# Altium PCB PLDISPLAYMASTER.PcbDoc (part 1 of 2)
Units mm, origin at the board's own origin, x right, y up, seen from the top; angles counter-clockwise.
Board outline 119 x 145 mm, 2 copper layers (Top Layer, Bottom Layer); 125 components, 100 nets, 433 pads, 175 vias.
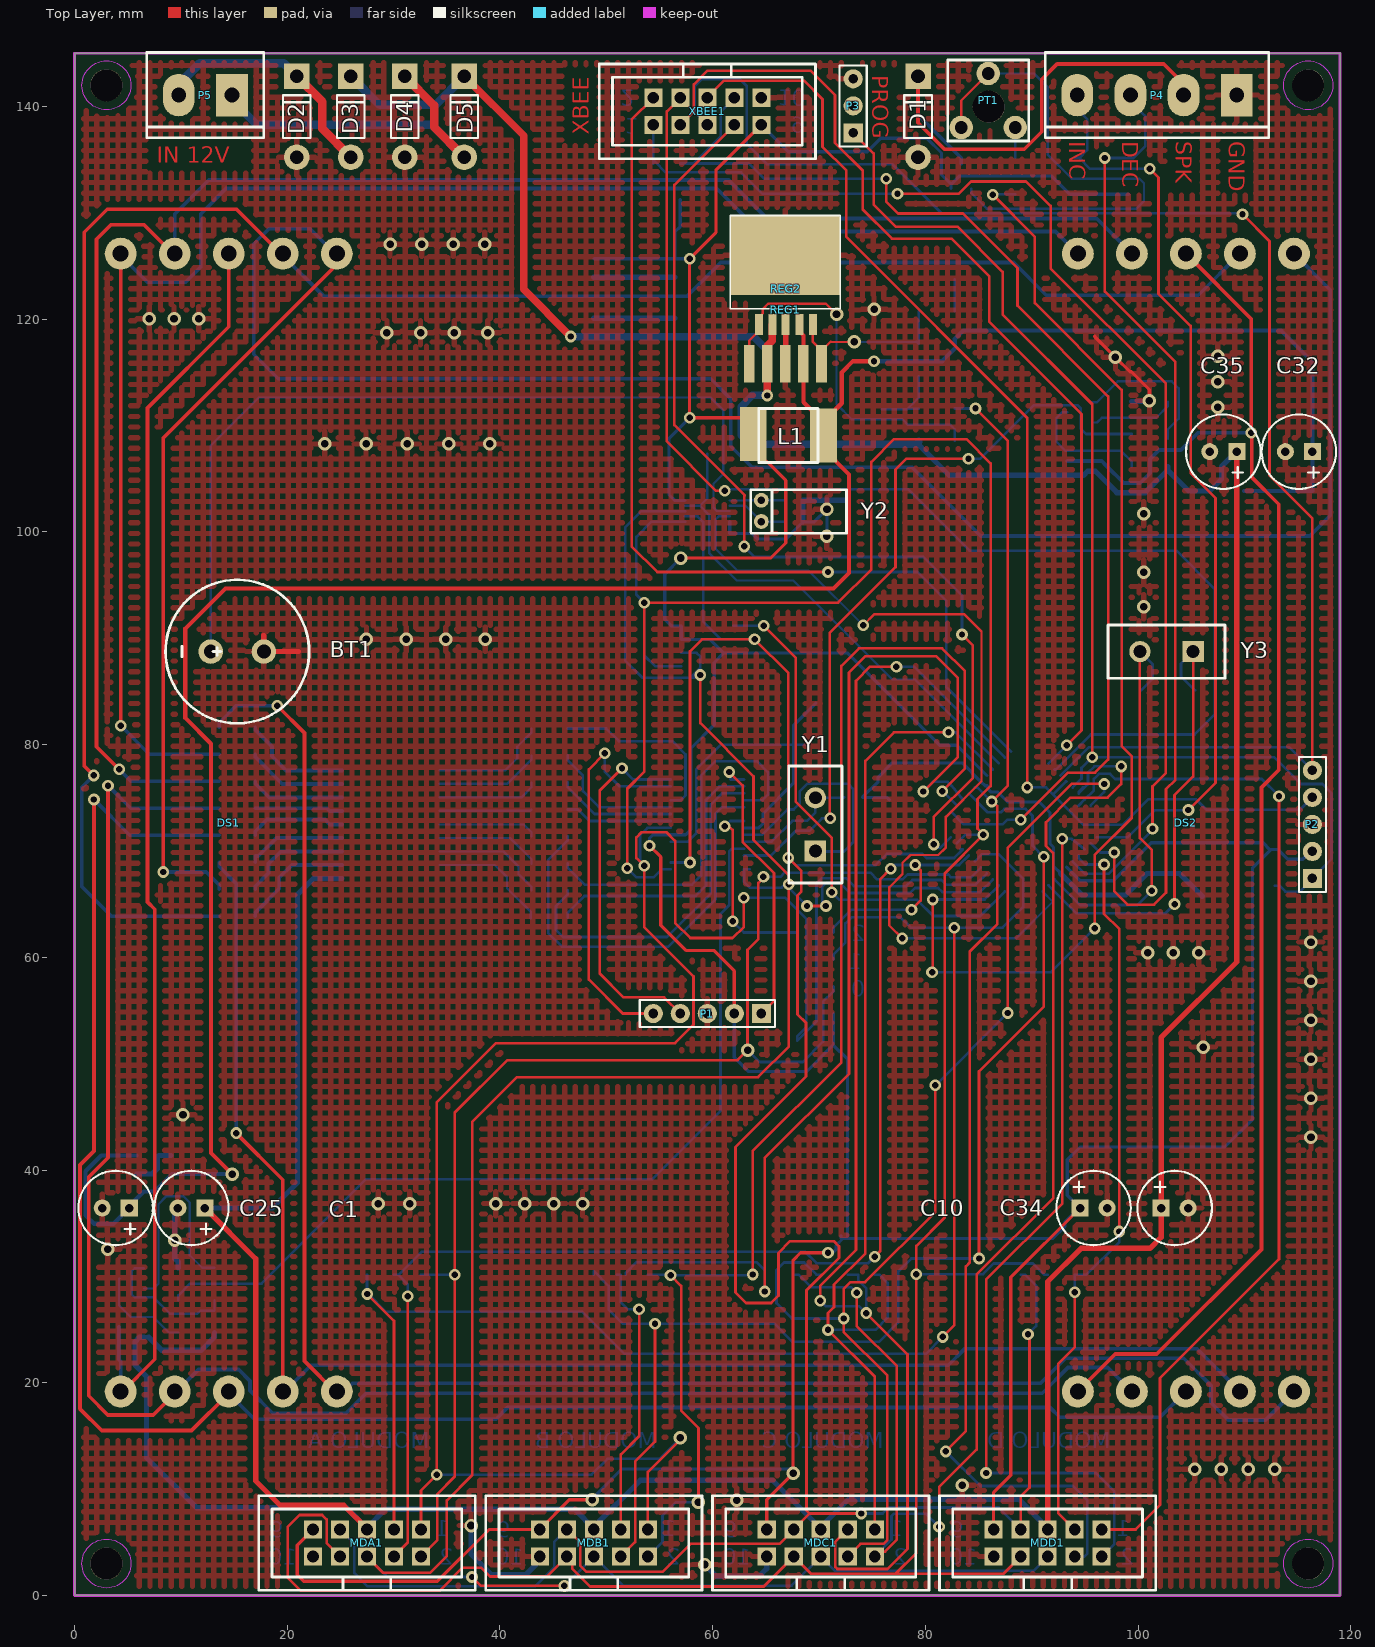
[diagram p0: Top Layer view]
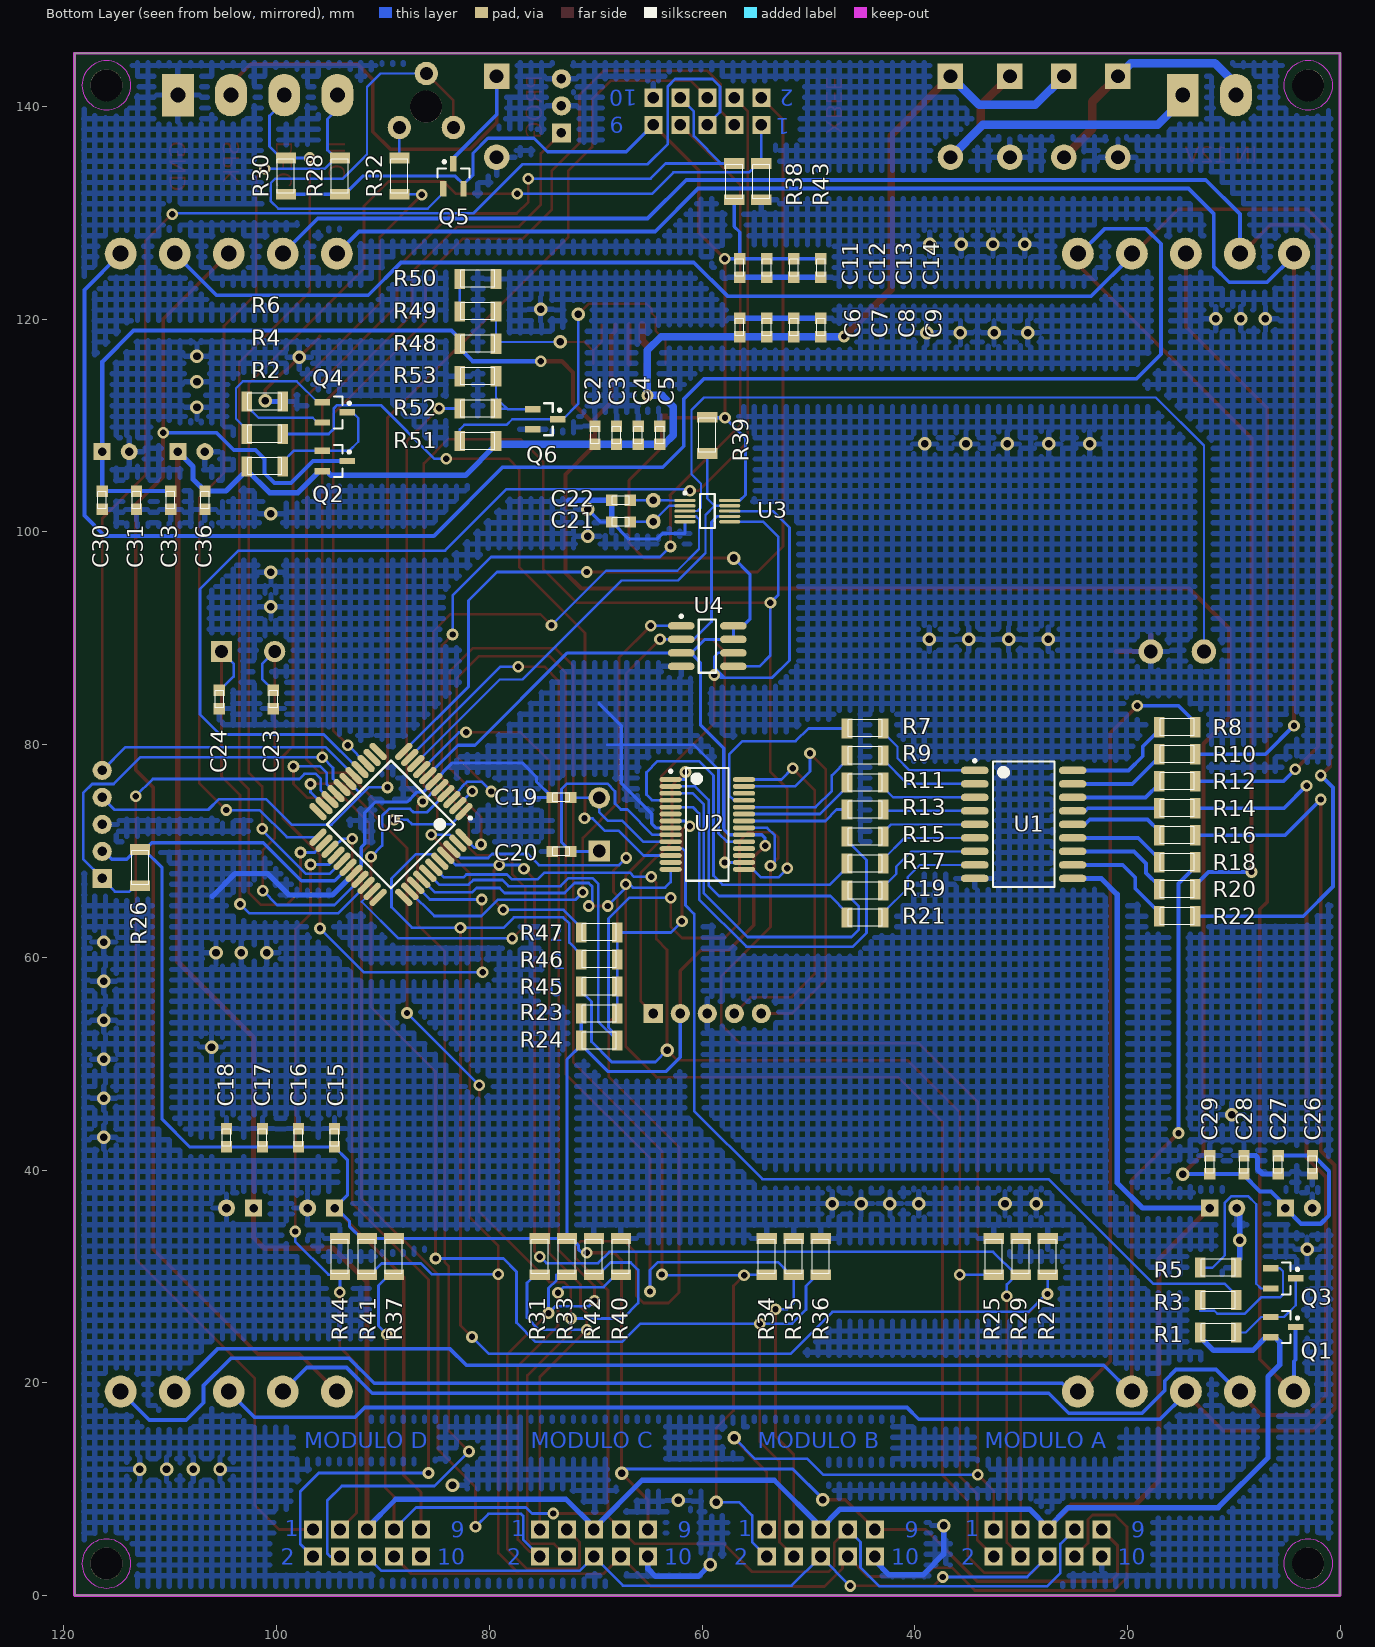
[diagram p1: Bottom Layer view, seen from below]
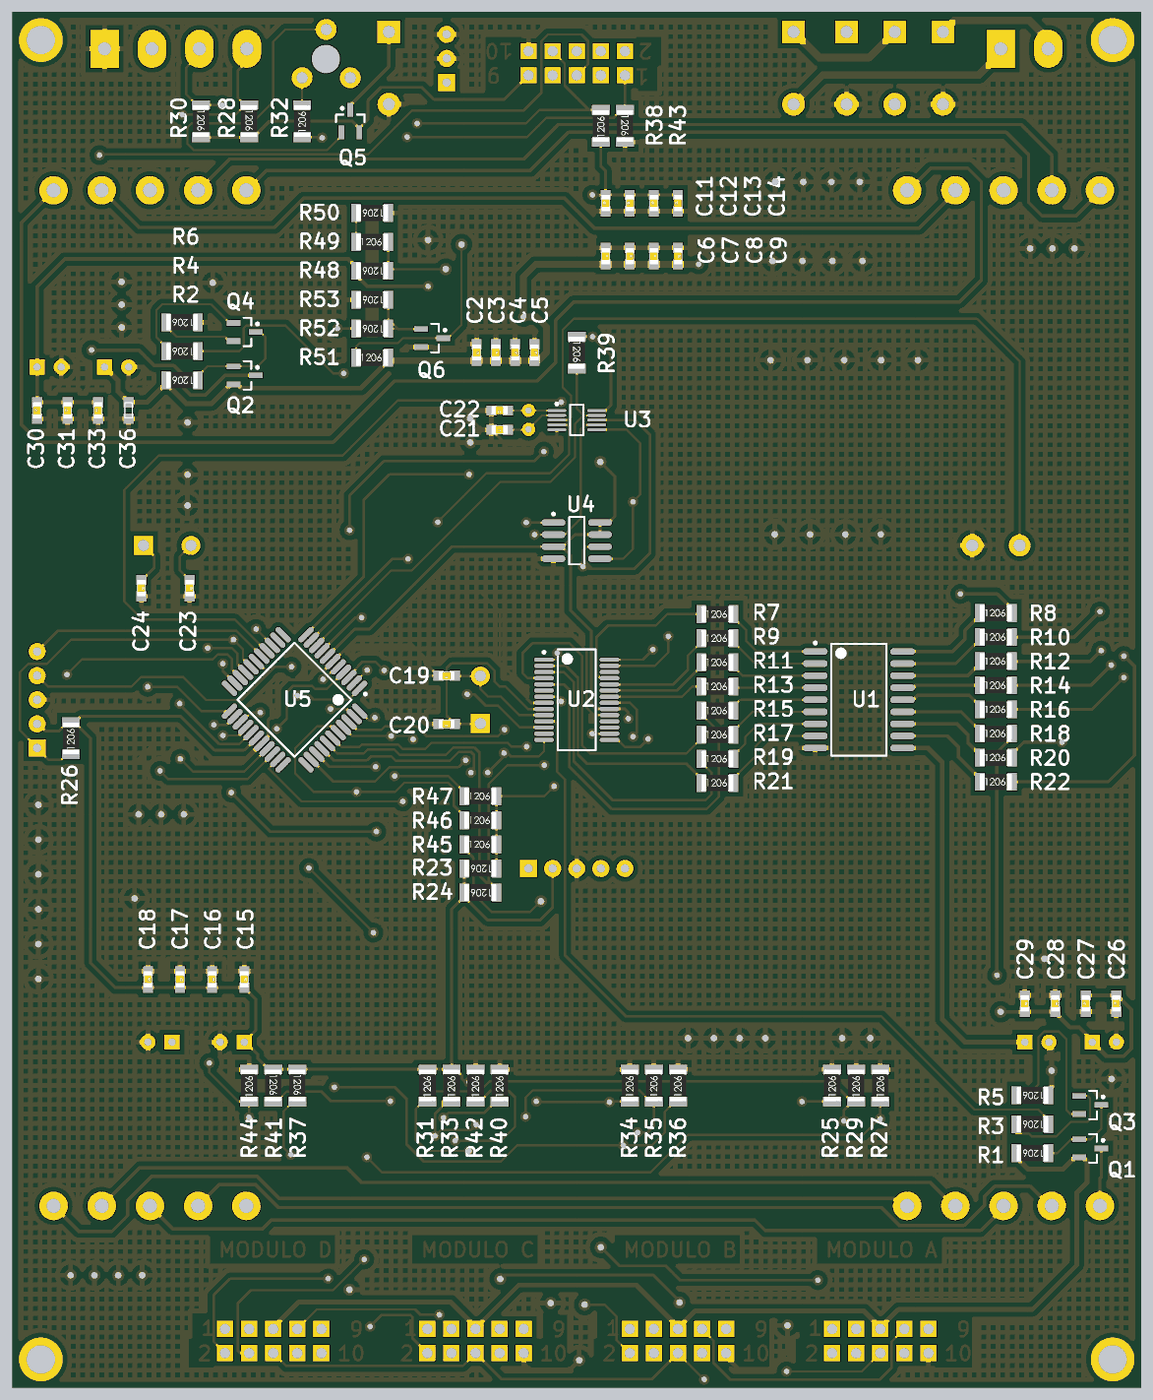
[diagram p3: 3D render of the assembled board from below, using the file's embedded part models]

## Layer stack, top to bottom
Top Solder: solder mask 0.0102, Solder Resist, Dk 3.5
Top Layer: signal copper 0.0356
Dielectric1: dielectric 0.32, FR-4, Dk 4.8
Bottom Layer: signal copper 0.0356
Bottom Solder: solder mask 0.0102, Solder Resist, Dk 3.5

## Board outline
0,145 119,145 119,0 0,0 0,145

## Design rules (kind name [scope] priority, off if disabled: settings)
Clearance Polygone [All vs InPolygon] p1: gap=0.5
Clearance Clearance_6 [InNetClass('PWR IN')] p2: gap=0.4
Clearance [All] p3: gap=0.2
ComponentClearance [All] p1: gap=0 collisioncheckmode=3 verticalgap=0 showdistances=FALSE
DiffPairsRouting [InNet('18F RC7')] p1: maxlimit=0.254 minlimit=0.254 mostfreqgap=0.254 toplayer_minwidth=0.381 toplayer_maxwidth=0.381 toplayer_prefwidth=0.381 bottomlayer_minwidth=0.381 bottomlayer_maxwidth=0.381 bottomlayer_prefwidth=0.381 maxuncoupledlength=12.7
HoleSize [All] p1: absolutevalues=TRUE maxlimit=10 minlimit=0.025 maxpercent=80.000 minpercent=20.000
MinimumSolderMaskSliver [All] p1: minsoldermaskwidth=0
PlaneClearance PlaneClearance_1 [InNamedPolygon('TopLayer')] p1: clearance=0.5
PlaneClearance [InNamedPolygon('BottomLayer')] p2: clearance=0.5
PlaneConnect PlaneConnect_1 [InNamedPolygon('TopLayer')] p1: planeconnectstyle=Relief reliefexpansion=0.5 reliefentries=4 reliefconductorwidth=0.3 reliefairgap=0.5
PlaneConnect [InNamedPolygon('BottomLayer')] p2: planeconnectstyle=Relief reliefexpansion=0.5 reliefentries=4 reliefconductorwidth=0.3 reliefairgap=0.5
PolygonConnect [All] p1: connectstyle=Relief reliefconductorwidth=0.5 reliefentries=4 polygonreliefangle="90 Angle" airgapwidth=0.5
RoomDefinition U_MIC29302 [InComponentClass('U_MIC29302')] p1: confinementstyle=ConfineIn formatcopy=TRUE lockcomponents=FALSE outline -45.518,157.112 166.155,157.112 166.155,-7.553 -45.518,-7.553
RoomDefinition "MCU 18F4520" [InComponentClass('MCU 18F4520')] p2: confinementstyle=ConfineIn formatcopy=TRUE lockcomponents=FALSE outline -45.518,157.112 166.181,157.112 166.181,-7.553 -45.518,-7.553
RoomDefinition "DISPLAY SS" [InComponentClass('DISPLAY SS')] p3: confinementstyle=ConfineIn formatcopy=TRUE lockcomponents=FALSE outline -45.518,-7.553 166.155,-7.553 166.155,157.112 -45.518,157.112
RoomDefinition PLDISPLAYMASTER [InComponentClass('PLDISPLAYMASTER')] p4: confinementstyle=ConfineIn formatcopy=TRUE lockcomponents=FALSE outline -45.518,157.112 166.181,157.112 166.181,-7.553 -45.518,-7.553
RoutingCorners [All] p1: cornerstyle=45-Degree minsetback=1.27 maxsetback=2.54
RoutingPriority RoutingPriority_3 [InNetClass('MCU 16F')] p1: routingpriority=3
RoutingPriority RoutingPriority_2 [InNetClass('MCU 18F')] p2: routingpriority=2
RoutingPriority RoutingPriority_1 [InNetClass('DISPLAY Class')] p3: routingpriority=1
RoutingPriority [All] p4: routingpriority=4
RoutingVias [All] p1: holewidth=0.6 width=1.1 viastyle="Through Hole" minholewidth=0.6 minwidth=1.1 maxholewidth=0.6 maxwidth=1.1
SMDToCorner [All] p1: distance=0
SilkToSilkClearance [All] p1: silktosilkclearance=0
SilkToSolderMaskClearance SilkscreenOverComponentPads [IsPad] p1: minsilkscreentomaskgap=0 clearancetoexposedcopper=TRUE
SolderMaskExpansion [All] p1: expansion=0.102
Width Width_11 [InNet('VIN DISPLY')] p1: maxlimit=10 minlimit=0.4 preferedwidth=0.4
Width Width_10 [InNet('VIN MIC29302')] p2: maxlimit=10 minlimit=0.4 preferedwidth=0.4
Width Width_9 [InNet('VOUT REG')] p3: maxlimit=10 minlimit=0.4 preferedwidth=0.4
Width Width_8 [InNet('BUZZER SPK')] p4: maxlimit=0.35 minlimit=0.35 preferedwidth=0.35
Width Width_7 [InNet('AC DISPLAY 2')] p5: maxlimit=10 minlimit=0.35 preferedwidth=0.35
Width Width_6 [InNet('AC DISPLAY 1')] p6: maxlimit=10 minlimit=0.35 preferedwidth=0.35
Width Width_5 [InNetClass('MCU 16F')] p7: maxlimit=10 minlimit=0.25 preferedwidth=0.25
Width Width_4 [InNetClass('DISPLAY Class')] p8: maxlimit=10 minlimit=0.35 preferedwidth=0.35
Width Width_3 [InNetClass('PWR IN')] p9: maxlimit=10 minlimit=0.4 preferedwidth=0.4
Width Width_2 [InNetClass('RTC')] p10: maxlimit=0.22 minlimit=0.22 preferedwidth=0.22
Width Width_1 [InNetClass('MCU 18F')] p11: maxlimit=10 minlimit=0.25 preferedwidth=0.25
Width [All] p12: maxlimit=10 minlimit=0.22 preferedwidth=0.22
20 further rules are at their usual default settings.

## Classes and differential pairs
net class "DISPLAY Class": "DISPLAY A" "DISPLAY B" "DISPLAY C" "DISPLAY D" "DISPLAY DP" "DISPLAY E" "DISPLAY F" "DISPLAY G" NetR8_1 NetR10_1 NetR12_1 NetR14_1 NetR16_1 NetR18_1 NetR20_1 NetR22_1
polygon class POLIGONO: BottomLayer TopLayer
component class U_MIC29302: C25 C26 C27 C28 C29 C30 C31 C32 C33 C34 C35 C36 L1 Q6 R48 R49 R50 R51 R52 R53 REG1 REG2
component class PLDISPLAYMASTER: D2 D3 D4 D5 MDA1 MDC1 MDD1 P4 P5 R45 R46 R47 XBEE1
component class "MCU 18F4520": BT1 C21 C22 C23 C24 D1 P2 P3 PT1 Q5 R25 R26 R27 R28 R29 R30 R31 R32 R33 R34 R35 R36 R37 R38 R39 R40 R41 R42 R43 R44 U3 U4 U5 Y2 Y3
component class "DISPLAY SS": C1 C2 C3 C4 C5 C6 C7 C8 C9 C10 C11 C12 C13 C14 C15 C16 C17 C18 C19 C20 DS1 P1 Q1 Q2 Q3 Q4 R1 R2 R3 R4 R5 R6 R7 R8 R9 R10 R11 R12 R13 R14 R15 R16 R17 R18 R19 R20 R21 R22 R23 R24 U1 U2 Y1
net class "MCU 16F": "16F PGC" "16F PGD" "18F RD0" "18F SPI SCK" "18F SPI SDI" "18F SPI SDO" +5VDC "DISP NUM 1" "DISP NUM 2" "EN DISPLY" GND "MCLR 16F" "OSC1 16F" "OSC2 16F" "U DISPLAY A" "U DISPLAY B" "U DISPLAY C" "U DISPLAY D" "U DISPLAY DP" "U DISPLAY E" "U DISPLAY F" "U DISPLAY G"
net class "MCU 18F": "18F MCLR" "18F RA0" "18F RA1" "18F RA2" "18F RA3" "18F RA4" "18F RA5" "18F RB0" "18F RB1" "18F RB2" "18F RB3" "18F RB4" "18F RB5" "18F RB6" "18F RB7" "18F RC0" "18F RC1" "18F RC2" "18F RC6" "18F RC7" "18F RD0" "18F RD1" "18F RD2" "18F RD3" "18F RD4" "18F RD5" "18F RD6" "18F RD7" "18F RE0" "18F RE1" "18F RE2" "18F SPI SCK" "18F SPI SDI" "18F SPI SDO" +5VDC GND "OSC1 18F" "OSC2 18F"
net class RTC: "18F RB1" "18F RC0" "18F SPI SCK" "18F SPI SDI" "18F SPI SDO" +5VDC "DS1390 VBACKUP" "DS1390 X1" "DS1390 X2" GND
net class "PWR IN": +12VDC NetD2_2 NetD4_2

## Components (designator, comment, footprint, x,y, rotation, side; value= is the part's Value field where it differs from the comment)
BT1 "3V" KR-5R5C334-R 15.304,88.756 r0 top
C1 "10uF 25v" C100UF 12.256,36.432 r180 top
C2 "100nF" CAP0603,1608 70.062,109.093 r270 bottom
C3 "100nF" CAP0603,1608 68.03,109.093 r270 bottom
C4 "100nF" CAP0603,1608 65.998,109.093 r270 bottom
C5 "100nF" CAP0603,1608 63.966,109.093 r270 bottom
C6 "100nF" CAP0603,1608 56.452,119.236 r270 bottom
C7 "100nF" CAP0603,1608 53.912,119.236 r270 bottom
C8 "100nF" CAP0603,1608 51.372,119.236 r270 bottom
C9 "100nF" CAP0603,1608 48.832,119.236 r270 bottom
C10 "10uF 25v" C100UF 94.552,36.432 r0 top
C11 "100nF" CAP0603,1608 56.452,124.824 r90 bottom
C12 "100nF" CAP0603,1608 53.912,124.824 r90 bottom
C13 "100nF" CAP0603,1608 51.372,124.824 r90 bottom
C14 "100nF" CAP0603,1608 48.832,124.824 r90 bottom
C15 "100nF" CAP0603,1608 94.552,43.036 r270 bottom
C16 "100nF" CAP0603,1608 97.939,43.036 r270 bottom
C17 "100nF" CAP0603,1608 101.325,43.036 r270 bottom
C18 "100nF" CAP0603,1608 104.712,43.036 r270 bottom
C19 "15pF" CAP0603,1608 73.216,75.04 r0 bottom
C20 "15pF" CAP0603,1608 73.216,69.96 r0 bottom
C21 "15pF" CAP0603,1608 67.628,100.948 r0 bottom
C22 "15pF" CAP0603,1608 67.628,102.98 r0 bottom
C23 "15pF" CAP0603,1608 100.313,84.26 r270 bottom
C24 "15pF" CAP0603,1608 105.393,84.26 r270 bottom
C25 "100uF 25v" C100UF 5.144,36.432 r180 top
C26 "100nF" CAP0603,1608 2.604,40.496 r90 bottom
C27 "100nF" CAP0603,1608 5.821,40.496 r90 bottom
C28 "100nF" CAP0603,1608 9.039,40.496 r270 bottom
C29 "100nF" CAP0603,1608 12.256,40.496 r270 bottom
C30 "100nF" CAP0603,1608 116.396,102.98 r90 bottom
C31 "100nF" CAP0603,1608 113.179,102.98 r90 bottom
C32 "100uF 25v" C100UF 116.396,107.552 r180 top
C33 "100nF" CAP0603,1608 109.961,102.98 r90 bottom
C34 "100uF 25v" C100UF 102.172,36.432 r0 top
C35 "100uF 25v" C100UF 109.284,107.552 r180 top
C36 "100nF" C0603C104K5RACTU 106.744,102.98 r90 bottom
D1 "1N4004" DIODE-0.3_GENARO 79.312,139.048 r270 top
D2 "1N4004" DIODE-0.3_GENARO 20.892,139.048 r270 top
D3 "1N4004" DIODE-0.3_GENARO 25.972,139.048 r270 top
D4 "1N4004" DIODE-0.3_GENARO 31.052,139.048 r270 top
D5 "1N4004" DIODE-0.3_GENARO 36.64,139.048 r270 top
DS1 "DISPLAY 7PULG AC" "Display 7Seg 4''" 14.5,72.675 r0 top
DS2 "DISPLAY 7PULG AC" "Display 7Seg 4''" 104.5,72.675 r0 top
L1 "270R" 74279224271 67.12,109.076 r180 top
MDA1 "IDC5X2" IDC5X2 27.496,4.936 r270 top
MDB1 "IDC5X2" IDC5X2 48.832,4.936 r270 top
MDC1 "IDC5X2" IDC5X2 70.168,4.936 r270 top
MDD1 "IDC5X2" IDC5X2 91.504,4.936 r270 top
P1 "NONE" HDR1X5 64.58,54.72 r180 top
P2 "ICSP" HDR1X5 116.396,67.42 r90 top
P3 "Header 3" HDR1X3 73.216,137.524 r90 top
P4 "BORNERA 2P" AZUL5-4 109.284,141.08 r180 top
P5 "VOLT AC" AZUL5-2 14.796,141.08 r180 top
PT1 "20K" "POT LIN VR1" 85.916,140.572 r0 top
Q1 "2N3906" SOT95P240-3RM 5.363,25.238 r180 bottom
Q2 "2N3906" SOT95P240-3RM 94.516,106.672 r180 bottom
Q3 "2N3904" SOT95P240-3RM 5.363,29.81 r180 bottom
Q4 "2N3904" SOT95P240-3RM 94.516,111.244 r180 bottom
Q5 "2N3906" SOT95P240-3RM 83.376,133.46 r90 bottom
Q6 "2N3906" SOT95P240-3RM 74.74,110.6 r180 bottom
R1 "10K" RES1206-3216 11.459,24.73 r0 bottom
R2 "10K" RES1206-3216 101.12,106.164 r0 bottom
R3 "1K" RES1206-3216 11.459,27.778 r0 bottom
R4 "1K" RES1206-3216 101.12,109.212 r0 bottom
R5 "470R" RES1206-3216 11.459,30.826 r0 bottom
R6 "470R" RES1206-3216 101.12,112.26 r0 bottom
R7 "1K" RES1206-3216 44.666,81.521 r180 bottom
R8 "100R" RES1206-3216 15.304,81.644 r180 bottom
R9 "1K" RES1206-3216 44.666,78.981 r180 bottom
R10 "100R" RES1206-3216 15.304,79.104 r180 bottom
R11 "1K" RES1206-3216 44.666,76.441 r180 bottom
R12 "100R" RES1206-3216 15.304,76.564 r180 bottom
R13 "1K" RES1206-3216 44.666,73.901 r180 bottom
R14 "100R" RES1206-3216 15.304,74.024 r180 bottom
R15 "1K" RES1206-3216 44.666,71.361 r180 bottom
R16 "100R" RES1206-3216 15.304,71.484 r180 bottom
R17 "1K" RES1206-3216 44.666,68.821 r180 bottom
R18 "100R" RES1206-3216 15.304,68.944 r180 bottom
R19 "1K" RES1206-3216 44.666,66.281 r180 bottom
R20 "100R" RES1206-3216 15.304,66.404 r180 bottom
R21 "1K" RES1206-3216 44.666,63.741 r180 bottom
R22 "100R" RES1206-3216 15.304,63.864 r180 bottom
R23 "10K" RES1206-3216 69.66,54.72 r0 bottom
R24 "10K" RES1206-3216 69.66,52.18 r0 bottom
R25 "100K" RES1206-3216 32.576,31.86 r90 bottom
R26 "100K" RES1206-3216 112.84,68.436 r90 bottom
R27 "100K" RES1206-3216 27.496,31.86 r90 bottom
R28 "100K" RES1206-3216 94.044,133.46 r270 bottom
R29 "100K" RES1206-3216 30.036,31.86 r90 bottom
R30 "100K" RES1206-3216 99.124,133.46 r270 bottom
R31 "100K" RES1206-3216 75.248,31.86 r90 bottom
R32 "100R" RES1206-3216 88.456,133.46 r90 bottom
R33 "100K" RES1206-3216 72.708,31.86 r90 bottom
R34 "100K" RES1206-3216 53.912,31.86 r90 bottom
R35 "100K" RES1206-3216 51.372,31.86 r90 bottom
R36 "100K" RES1206-3216 48.832,31.86 r90 bottom
R37 "4k7" RES1206-3216 88.964,31.86 r270 bottom
R38 "100K" CRCW1206100KJNEA 56.96,132.952 r90 bottom
R39 "4k7" RES1206-3216 59.5,109.076 r270 bottom
R40 "100K" RES1206-3216 67.628,31.86 r90 bottom
R41 "4k7" RES1206-3216 91.504,31.86 r270 bottom
R42 "100K" RES1206-3216 70.168,31.86 r90 bottom
R43 "100K" RES1206-3216 54.42,132.952 r270 bottom
R44 "100K" RES1206-3216 94.044,31.86 r90 bottom
R45 "1R" RES1206-3216 69.66,57.26 r180 bottom
R46 "1R" RES1206-3216 69.66,59.8 r180 bottom
R47 "1R" RES1206-3216 69.66,62.34 r180 bottom
R48 "100K" RES1206-3216 81.069,117.693 r0 bottom
R49 "33K" RES1206-3216 81.069,120.741 r180 bottom
R50 "1R" RES1206-3216 81.069,123.789 r0 bottom
R51 "100K" RES1206-3216 81.069,108.549 r180 bottom
R52 "1k" RES1206-3216 81.069,111.597 r0 bottom
R53 "100K" RES1206-3216 81.069,114.645 r0 bottom
REG1 "SIM29302" MIC29302BU 61.65,129.761 r0 top
REG2 "SIM29302" MIC29302AWD 66.885,118.5 r0 top
U1 "ULN2803A" SOIC-SO18_M 29.75,72.5 r180 bottom
U2 "PIC16F886-I/SS" SSOP-SS28_N 59.5,72.5 r180 bottom
U3 "DS1390U-33+" 10uSOP_M 59.5,101.964 r180 bottom
U4 "25LC256-I/SN" SOIC-SN8_M 59.5,89.264 r180 bottom
U5 "PIC18F4520-I/PT" TQFP-PT44_M 89.25,72.5 r315 bottom
XBEE1 "IDC5X2" IDC5X2 59.5,139.556 r90 top
Y1 "20Mhz" CRYSTAL 69.66,72.5 r90 top
Y2 "32.768Khz" XTAL-2 64.58,102.98 r270 top
Y3 "32,768Khz" CRYSTAL 102.68,88.756 r180 top

## Footprints (in the part's own frame and the unit in brackets; to place one, negate y for a bottom-side part, rotate by r counter-clockwise, add the part's x,y. Pads: shape width x height; smd on the part's side, far side on the other; paste and mask are expansions set on the pad)
10uSOP_M [mm] "TSSOP, 10-Leads, Body 3x3mm, Pitch 0.5mm, IPC Low Density"
  oval 2x0.3 smd: 1(-2.1,1) 2(-2.1,0.5) 3(-2.1,0) 4(-2.1,-0.5) 5(-2.1,-1) 6(2.1,-1) 7(2.1,-0.5) 8(2.1,0) 9(2.1,0.5) 10(2.1,1)
  silkscreen extent -2.23,-1.6 0.7,1.82, body extent -1.6,-1.6 1.6,1.6, height 1.1
74279224271 [mil] "INDUCTOR 270R"
  rect 98.43x200 smd: 1(-130,0) 2(130,-5)
  silkscreen extent -110,-100 110,100
AZUL5-2 [mm]
  rect 3x4 hole 1.4: 1(0,0)
  oval 3x4 hole 1.4: 2(5,0)
  silkscreen extent -3,-4 8,4
AZUL5-4 [mm]
  rect 3x4 hole 1.4: 1(0,0)
  oval 3x4 hole 1.4: 2(5,0) 3(10,0) 4(15,0)
  silkscreen extent -3,-4 18,4
C100UF [mm]
  rect 1.6x1.6 hole 0.8: 1(0,0)
  round 1.6 hole 0.8: 2(2.54,0)
  silkscreen extent -2.23,-3.5 4.77,3.5
C0603C104K5RACTU [mm] "100nF"
  rect 1.08x1.05 smd: 1(-0.865,0) 2(0.865,0)
  silkscreen extent -0.8,-0.4 0.8,0.4
CAP0603,1608 [mm] "0603 (1608 metric), -55 C to + 125 C, 10 %, 50 V"
  rect 1.08x1.05 smd: 1(-0.865,0) 2(0.865,0)
  silkscreen extent -0.8,-0.4 0.8,0.4, body extent -0.8,-0.4 0.8,0.4, height 0.3
CRCW1206100KJNEA [mm] "100K 0.25W"
  rect 1x1.9 smd: 1(-1.7,0) 2(1.7,0)
  silkscreen extent -1.6,-0.8 1.6,0.8, body extent -1.68,-0.87 1.68,0.85, height 0.85
CRYSTAL [mm] "Cristal de Quarzo"
  rect 2x2 hole 1.2: 1(-2.5,0)
  round 2 hole 1.2: 2(2.5,0)
  silkscreen extent -5.5,-2.5 5.5,2.5
DIODE-0.3_GENARO [mm] "DIODE-0.3"
  round 2.4 hole 1.3: 1(3.81,0)
  rect 2.4x2.4 hole 1.3: 2(-3.81,0)
  silkscreen extent -2.02,-1.3 2,1.3
"Display 7Seg 4''" [mm] "Display 7Seg 4''"
  round 3 hole 1.5: 1(-10.16,-53.5) 2(-5.08,-53.5) 3(0,-53.5) 4(5.08,-53.5) 5(10.16,-53.5) 6(10.16,53.5) 7(5.08,53.5) 8(0,53.5) 9(-5.08,53.5) 10(-10.16,53.5)
HDR1X3 [mm] "Connector; Header; 3 Position"
  rect 1.8x1.8 hole 0.9: 1(0,0)
  round 1.8 hole 0.9: 2(2.54,0) 3(5.08,0)
  silkscreen extent -1.27,-1.27 6.35,1.27
HDR1X5 [mm] "Connector; Header; 5 Position"
  rect 1.8x1.8 hole 0.9 paste+0: 1(0,0)
  round 1.8 hole 0.9 paste+0: 2(2.54,0) 3(5.08,0) 4(7.62,0) 5(10.16,0)
  silkscreen extent -1.27,-1.27 11.43,1.27
IDC5X2 [mm] "IDC5X2"
  rect 1.7x1.7 hole 1.1: 1(-1.27,5.08) 2(1.27,5.08) 3(-1.27,2.54) 4(1.27,2.54) 5(-1.27,0) 6(1.27,0) 7(-1.27,-2.54) 8(1.27,-2.54) 9(-1.27,-5.08) 10(1.27,-5.08)
  silkscreen extent -4.45,-10.17 4.45,10.17
KR-5R5C334-R [mm] "KR-5R5C334-R"
  round 2.3 hole 1.3: 1(-2.5,0) 2(2.5,0)
  silkscreen extent -6.75,-6.75 6.75,6.75
MIC29302AWD [mm] "MIC29302AWD"
  rect 0.76x2 smd: 1(-2.54,1) 2(-1.27,1) 4(1.27,1) 5(2.54,1) ""(-0.025,1)
  rect 7x5.85 smd: 3(0,7.775)
MIC29302BU [mm] "MIC29302BU"
  rect 1x3.5 smd: 1(1.777,-13.95) 2(3.48,-13.95) 4(6.884,-13.95) 5(8.586,-13.95) ""(5.182,-13.95)
  rect 10.363x7.477 smd: 3(5.182,-3.739)
  silkscreen extent 0,-8.78 10.36,0
"POT LIN VR1" [mm] "POT LIN VR1"
  round 2.2 hole 1.2: 1(-2.54,-2.54) 2(2.54,-2.54) 3(0,2.54)
  silkscreen extent -3.81,-3.81 3.81,3.81
RES1206-3216 [mm] "1206 (3216 metric), - 55 C to + 155 C, 200 V, 5 %, 250mW"
  rect 1x1.9 smd: 1(-1.7,0) 2(1.7,0)
  silkscreen extent -1.6,-0.8 1.6,0.8, body extent -1.68,-0.87 1.68,0.85, height 0.85
SOIC-SN8_M [mm] "SOIC, 8-Leads, Body 4.9x3.8mm, Pitch 1.27mm, IPC Low Density"
  oval 2.5x0.7 smd: 1(-2.45,1.905) 2(-2.45,0.635) 3(-2.45,-0.635) 4(-2.45,-1.905) 5(2.45,-1.905) 6(2.45,-0.635) 7(2.45,0.635) 8(2.45,1.905)
  silkscreen extent -2.58,-2.5 0.8,2.93, body extent -2,-2.5 2,2.5, height 1.75
SOIC-SO18_M [mm] "SOIC, 18-Leads, Body 11.5x7.5mm, Pitch 1.27mm, IPC Low Density"
  oval 2.6x0.7 smd: 1(-4.6,5.08) 2(-4.6,3.81) 3(-4.6,2.54) 4(-4.6,1.27) 5(-4.6,0) 6(-4.6,-1.27) 7(-4.6,-2.54) 8(-4.6,-3.81) 9(-4.6,-5.08) 10(4.6,-5.08) 11(4.6,-3.81) 12(4.6,-2.54) 13(4.6,-1.27) 14(4.6,0) 15(4.6,1.27) 16(4.6,2.54) 17(4.6,3.81) 18(4.6,5.08)
  silkscreen extent -4.72,-5.9 2.9,6.1, body extent -3.8,-5.95 3.8,5.95, height 2.65
SOT95P240-3RM [mm] "SOT23, 3-Leads, Body 2.9x1.3mm, Pitch 0.95mm, Lead Span 2.3mm - Reverse Pinning, IPC Low Density"
  rect 1.45x0.6 smd: 1(1.175,0) 2(-1.175,-0.95) 3(-1.175,0.95)
  silkscreen extent -0.1,-1.5 1.47,1.5, body extent -0.7,-1.5 0.7,1.5, height 1.1
SSOP-SS28_N [mm] "SOP, 28-Leads, Body 10.2x5.2mm, Pitch 0.65mm, IPC Medium Density"
  oval 2.1x0.45 smd: 1(-3.45,4.225) 2(-3.45,3.575) 3(-3.45,2.925) 4(-3.45,2.275) 5(-3.45,1.625) 6(-3.45,0.975) 7(-3.45,0.325) 8(-3.45,-0.325) 9(-3.45,-0.975) 10(-3.45,-1.625) 11(-3.45,-2.275) 12(-3.45,-2.925) 13(-3.45,-3.575) 14(-3.45,-4.225) 15(3.45,-4.225) 16(3.45,-3.575) 17(3.45,-2.925) 18(3.45,-2.275) 19(3.45,-1.625) 20(3.45,-0.975) 21(3.45,-0.325) 22(3.45,0.325) 23(3.45,0.975) 24(3.45,1.625) 25(3.45,2.275) 26(3.45,2.925) 27(3.45,3.575) 28(3.45,4.225)
  silkscreen extent -3.57,-5.3 2,5.3, body extent -2.7,-5.3 2.7,5.3, height 2
TQFP-PT44_M [mm] "Thin QFP, 44-Leads, Body 10x10mm, Pitch 0.8mm, IPC Low Density"
  oval 2.05x0.6 smd: 1(-5.7,4) 2(-5.7,3.2) 3(-5.7,2.4) 4(-5.7,1.6) 5(-5.7,0.8) 6(-5.7,0) 7(-5.7,-0.8) 8(-5.7,-1.6) 9(-5.7,-2.4) 10(-5.7,-3.2) 11(-5.7,-4) 23(5.7,-4) 24(5.7,-3.2) 25(5.7,-2.4) 26(5.7,-1.6) 27(5.7,-0.8) 28(5.7,0) 29(5.7,0.8) 30(5.7,1.6) 31(5.7,2.4) 32(5.7,3.2) 33(5.7,4)
  oval 0.6x2.05 smd: 12(-4,-5.7) 13(-3.2,-5.7) 14(-2.4,-5.7) 15(-1.6,-5.7) 16(-0.8,-5.7) 17(0,-5.7) 18(0.8,-5.7) 19(1.6,-5.7) 20(2.4,-5.7) 21(3.2,-5.7) 22(4,-5.7) 34(4,5.7) 35(3.2,5.7) 36(2.4,5.7) 37(1.6,5.7) 38(0.8,5.7) 39(0,5.7) 40(-0.8,5.7) 41(-1.6,5.7) 42(-2.4,5.7) 43(-3.2,5.7) 44(-4,5.7)
  silkscreen extent -5.82,-4.25 4.25,4.97, body extent -5,-5 5,5, height 1.2
XTAL-2 [mm]
  round 1.4 hole 0.7: 1(0,0) 2(2,0)
  silkscreen extent -1,-1 3.1,8

## Part data
BT1 C1 C10 C25 C34 C35: library part "Cap Pol1", "Polarized Capacitor (Radial)"
C2 C3 C4 C5 C6 C7 C8 C9 C11 C12 C13 C14 C15 C16 C17 C18 C19 C20 C21 C22 C23 C24 C26 C27 C28 C29 C30 C31 C32 C33 C36: library part Cap, "Capacitor"
D1 D2 D3 D4 D5: "1.0 Ampere General Purpose Rectifier"
DS1 DS2: library part "Dpy Blue-CA", "14.2 mm General Purpose Blue 7-Segment Display: CA, RH DP, Gray Surface"
L1: library part Inductor, "Inductor"
MDA1 MDB1 MDC1 MDD1 XBEE1: library part "Header 5X2", "Header, 5-Pin, Dual row"
P1 P2: library part "Header 5", "Header, 5-Pin"
P3: "Header, 3-Pin"
P4: library part "Header 4", "Header, 4-Pin"
P5: library part "Header 2", "Header, 2-Pin"
PT1: library part RPot, "Potentiometer"
Q1 Q2 Q5: "PNP General Purpose Amplifier"
Q3 Q4: "NPN General Purpose Amplifier"
Q6: library part 2N3904, "NPN General Purpose Amplifier"
R1 R2 R3 R4 R5 R6 R7 R8 R9 R10 R11 R12 R13 R14 R15 R16 R17 R18 R19 R20 R21 R22 R23 R24 R25 R26 R27 R28 R29 R30 R31 R32 R33 R34 R35 R36 R37 R38 R39 R40 R41 R42 R43 R44 R45 R46 R47 R48 R49 R50 R51 R52 R53: library part Res1, "Resistor"
U1: library part ULN2803
U2: "Flash-Based, 8-Bit CMOS Microcontroller with nanoWatt Technology, 8K (x14-Bit words) Program Memory, 624 Bytes Data Memory, 24 I/O pins, 28-Pin SSOP, Standard VDD Range, Industrial Temperature"
U3: "Low-Voltage SPI/3-Wire Real-time Clock with Trickle Charger"
U4: "256K SPI Bus Serial EEPROM, 8-Pin SOIC, Industrial Temperature"
U5: "Enhanced Flash Microcontroller with 10-Bit A/D and nanoWatt Technology, 32K Flash, 44-Pin TQFP, Industrial Temperature Range"
Y1 Y2 Y3: library part XTAL, "Crystal Oscillator"

## Free pads (board coordinates)
  round 3 hole 3 unplated: ""(3,3) ""(3,142) ""(85.95,140) ""(116,3) ""(116,142)

## Via types
v1: diameter 1.1, hole 0.6, Top Layer to Bottom Layer, tented both sides, 108 vias
v2: diameter 1.27, hole 0.711, Top Layer to Bottom Layer, tented both sides, 67 vias

## Nets (pads, with @x,y where several pads share a name; then routed paths per layer and width w, separated by ;. In a path a pad name is that pad's centre, name@x,y a point inside that pad or via, vN(x,y) a via of type N, cw(c..) or ccw(c..) an arc to the next point about the centre after c; other vN are vias at no path point)
"16F PGC": P1.5 U2.27 | length 37.8
  Top Layer w0.25: v1(49.848,79.18) 48.353,77.685 48.353,57.915 51.548,54.72 P1.5@54.42,54.72
  Bottom Layer w0.25: v1(49.848,79.18) 49.848,77.493 51.266,76.075 U2.27@56.05,76.075
"16F PGD": P1.4 U2.28 | length 34.3
  Top Layer w0.25: v1(51.474,77.783) 49.385,75.695 49.385,58.469 51.608,56.246 55.434,56.246 P1.4@56.96,54.72
  Bottom Layer w0.25: v1(51.474,77.783) 52.532,76.725 U2.28@56.05,76.725
"18F MCLR": P2.1 P3.1 R26.1 U5.18 | length 112
  Top Layer w0.25: P3.1@73.216,137.524 75.148,135.592 75.148,130.777 77.21,128.715 83.007,128.715 87.266,124.456 87.266,120.437 95.695,112.008 v1(95.695,78.83)
  Bottom Layer w0.25: U5.18@93.846,75.965 94.691,76.81 94.691,77.826 v1(95.695,78.83) 112.798,78.83 115.329,76.299 117.336,76.299 118.195,75.44 118.195,69.259 116.396,67.46 P2.1@116.396,67.42 116.396,67.373 115.208,66.185 113.845,66.185 113.294,66.736 R26.1@112.84,66.736
"18F RA0": MDC1.2 R40.1 U5.19 | length 131.5
  Top Layer w0.25: v1(73.546,28.456) 73.546,25.334 77.324,21.556 77.324,5.247 76.2,4.123 75.248,4.123 MDC1.2@75.248,3.666 ; v1(81.293,6.46) 81.293,10.195 84.828,13.73 84.828,30.162 92.012,37.346 92.012,69.808 91.352,70.468 91.352,72.703 93.663,75.015 97.13,75.015 98.419,76.304 v1(98.419,77.955)
  Bottom Layer w0.25: R40.1@67.628,30.16 68.087,30.16 69.257,28.99 73.013,28.99 v1(73.546,28.456) ; MDC1.2@75.248,3.666 76.823,5.241 76.823,7.478 77.019,7.674 80.08,7.674 v1(81.293,6.46) ; U5.19@94.831,75.98 94.412,75.56 U5.19@94.412,75.399 95.3,76.287 95.3,77.363 95.892,77.955 v1(98.419,77.955)
"18F RA1": MDD1.1 U5.20 | length 99.3
  Top Layer w0.25: MDD1.1@96.584,6.206 99.77,6.206 102.065,8.501 102.065,20.434 113.252,31.621 v1(113.252,75.153)
  Bottom Layer w0.25: U5.20@94.4,74.255 U5.20@94.978,74.833 95.845,75.701 95.845,76.785 96.313,77.253 97.373,77.253 97.855,76.771 111.634,76.771 v1(113.252,75.153)
"18F RA2": MDC1.4 R42.1 U5.21 | length 107.7
  Top Layer w0.25: MDC1.4@72.708,3.666 73.902,4.86 76.061,4.86 76.423,5.221 76.423,20.681 72.327,24.777 v1(72.327,26.043) 72.327,28.824 72.955,29.452 74.339,29.452 80.938,36.051 v1(80.938,47.964) ; v1(87.745,54.771) 87.745,70.29 93.791,76.337 96.814,76.337 v1(96.814,76.301)
  Bottom Layer w0.25: R42.1@70.168,30.16 69.744,30.16 68.601,31.303 66.71,31.303 66.006,30.599 66.006,27.485 67.448,26.043 v1(72.327,26.043) ; v1(80.938,47.964) v1(87.745,54.771) ; U5.21@95.543,74.268 96.814,75.539 96.814,76.334 v1@96.969,76.489
"18F RA3": U5.22
"18F RA4": P4.4 R28.1 U5.23 | length 88.1
  Top Layer w0.25: v1(101.105,134.146) 101.923,133.328 101.923,122.394 104.942,119.375 104.942,105.542 107.29,103.194 107.29,76.399 104.748,73.857 v1(104.737,73.857)
  Bottom Layer w0.25: P4.4@94.284,141.08 94.284,139.749 95.217,138.816 95.217,135.896 94.481,135.16 R28.1@94.044,135.16 94.475,135.16 95.489,134.146 v1(101.105,134.146) ; U5.23@96.109,71.298 99.04,71.298 101.588,73.846 104.737,73.846 v1(104.737,73.857)
"18F RA5": P4.3 R30.1 U5.24 | length 93.9
  Top Layer w0.25: v1(96.875,135.16) 96.875,122.618 103.502,115.991 103.502,76.687 102.63,75.815 102.63,66.084 101.506,64.96 99.015,64.96 97.752,66.223 v1(97.752,69.858)
  Bottom Layer w0.25: U5.24@95.543,70.732 96.417,69.858 v1(97.752,69.858) ; v1(96.875,135.16) 99.57,135.16 100.667,136.257 100.667,139.122 99.284,140.505 P4.3@99.284,141.08
"18F RB0": MDC1.1 R31.1 U5.8 | length 101
  Top Layer w0.25: MDC1.1@75.248,6.206 75.248,20.564 v1(70.842,24.97) 70.842,26.539 71.418,27.115 71.418,29.234 74.356,32.172 74.356,78.462 77.057,81.163 v1(82.182,81.163)
  Bottom Layer w0.25: v1(70.842,24.97) 75.308,24.97 76.455,26.117 76.455,29.402 75.697,30.16 R31.1@75.248,30.16 ; v1(82.182,81.163) 82.85,81.163 U5.8@86.351,77.662
"18F RB1": R39.2 U3.9 U5.9 | length 46.8
  Bottom Layer w0.22: U3.9@57.4,102.464 58.811,102.464 ; R39.2@59.5,107.376 59.5,103.153 58.811,102.464 ; U5.9@86.917,78.228 79.02,86.124 76.882,86.124 67.574,95.432 62.269,95.432 59.669,98.032 59.669,101.606 58.811,102.464
"18F RB2": MDC1.3 R33.1 U5.10 | length 122.9
  Top Layer w0.25: v1(70.113,27.724) 70.113,29.112 73.48,32.479 73.48,86.007 74.807,87.334 v1(77.28,87.334) ; MDC1.3@72.708,6.206 71.514,5.012 71.514,2.7 71.723,2.491 76.442,2.491 78.32,4.369 78.32,22.667 v1(74.435,26.551)
  Bottom Layer w0.25: v1(70.113,27.724) 70.649,27.188 73.799,27.188 v1(74.435,26.551) 74.435,28.888 73.699,29.625 73.699,30.16 R33.1@72.708,30.16 ; v1(77.28,87.334) 78.942,87.334 U5.10@87.482,78.793
"18F RB3": U5.11 XBEE1.2 | length 91.4
  Top Layer w0.25: XBEE1.2@54.42,140.826 52.384,138.79 52.384,98.652 54.801,96.235 v1(70.845,96.235)
  Bottom Layer w0.25: v1(70.845,96.235) 79.265,96.235 81.961,93.539 81.961,85.446 U5.11@88.048,79.359
"18F RB4": U5.14 XBEE1.3 | length 96.1
  Top Layer w0.25: XBEE1.3@56.96,138.286 58.23,139.556 58.23,142.096 59.51,143.376 69.21,143.376 71.512,141.074 71.512,136.57 74.114,133.968 74.114,130.309 76.845,127.578 82.476,127.578 86.002,124.052 86.002,119.781 94.687,111.096 94.687,81.331 v1(93.307,79.951)
  Bottom Layer w0.25: U5.14@91.583,78.228 v1(93.307,79.951)
"18F RB5": U5.15 XBEE1.4 | length 119.2
  Top Layer w0.25: XBEE1.4@56.96,140.826 55.692,139.558 55.692,108.515 60.338,103.869 v1(61.126,103.869)
  Bottom Layer w0.25: v1(61.126,103.869) 61.278,104.021 78.374,104.021 84.157,98.238 103.598,98.238 107.2,94.636 107.2,82.837 105.322,80.958 95.568,80.958 92.272,77.662 U5.15@92.149,77.662
"18F RB6": P2.5 U5.16 XBEE1.5 | length 145.1
  Top Layer w0.25: v1(109.817,129.879) 112.359,127.337 112.359,105.312 116.396,101.275 P2.5@116.396,77.58
  Bottom Layer w0.25: XBEE1.5@59.5,138.286 58.306,139.48 58.306,141.882 59.012,142.588 62.538,142.588 63.215,141.911 63.215,136.468 65.107,134.576 76.892,134.576 81.499,129.969 109.727,129.969 v1(109.817,129.879) ; U5.16@92.715,77.096 95.383,79.764 114.212,79.764 P2.5@116.396,77.58
"18F RB7": P2.4 U5.17 XBEE1.6 | length 117
  Top Layer w0.25: XBEE1.6@59.528,140.676 59.528,140.89 61.079,142.441 68.577,142.441 70.33,140.688 70.33,136.203 72.566,133.967 72.566,127.747 89.574,110.739 v1(89.574,75.98)
  Bottom Layer w0.25: v1(89.574,75.98) 91.344,75.98 92,75.324 93.206,76.531 U5.17@93.281,76.531 ; 91.998,75.323 94.844,72.477 98.583,72.477 100.988,74.882 105.428,74.882 106.429,73.881 115.237,73.881 P2.4@116.396,75.04
"18F RC0": U3.4 U5.32 | length 84.7
  Top Layer w0.22: v1(74.156,91.22) 75.213,92.277 83.643,92.277 85.276,90.644 85.276,76.556 81.931,73.211 81.931,70.343 81.218,69.63 78.601,69.63 77.858,68.887 77.858,67.83 76.611,66.583 76.611,63.009 v1(77.839,61.781)
  Bottom Layer w0.22: U3.4@61.6,101.464 60.552,101.464 60.29,101.202 60.29,98.399 62.328,96.361 69.015,96.361 v1(74.156,91.22) ; v1(77.839,61.781) 88.53,61.781 91.987,65.238 U5.32@91.018,66.207
"18F RC1": U4.1 U5.35 | length 48.7
  Top Layer w0.25: v1(64.82,91.169) 67.808,88.181 67.808,74.637 71.209,71.236 v1(71.209,66.125)
  Bottom Layer w0.25: U4.1@61.95,91.169 v1(64.82,91.169) ; v1(71.209,66.125) 71.919,65.415 79.217,65.415 80.744,63.888 85.163,63.888 U5.35@87.482,66.207
"18F RC2": R32.1 U5.36 | length 108.6
  Top Layer w0.25: v1(80.633,58.606) 80.702,58.675 v1(80.702,65.44) ; v1(86.348,131.707) 90.299,127.756 90.299,121.531 98.462,113.368 98.462,79.865 99.422,78.905 99.422,73.128 95.924,69.63 v1(95.924,62.721)
  Bottom Layer w0.25: v1(80.633,58.606) 91.809,58.606 v1(95.924,62.721) ; v1(80.702,65.44) 85.584,65.44 U5.36@86.917,66.772 ; v1(86.348,131.707) 86.4,131.76 R32.1@88.456,131.76
"18F RC6": U5.44 XBEE1.7 | length 94.6
  Top Layer w0.25: XBEE1.7@62.04,138.286 56.401,132.647 56.401,110.041 63.034,103.408 62.96,103.334 v1(62.96,98.642) ; v1(80.785,70.62) 80.785,73.188 84.469,76.872 84.469,89.339 v1(83.452,90.356)
  Bottom Layer w0.25: v1(62.96,98.642) 63.957,97.645 79.822,97.645 83.452,94.015 v1(83.452,90.356) ; v1(80.785,70.62) 81.072,70.334 81.427,70.334 U5.44@82.391,71.298
"18F RC7": R38.2 U5.1 XBEE1.8 | length 112.4
  Top Layer w0.25: v1(76.329,133.221) 76.329,131.041 77.432,129.938 83.535,129.938 88.673,124.8 88.673,121.274 97.194,112.753 97.194,78.599 95.958,77.363 93.395,77.363 v1(88.964,72.932)
  Bottom Layer w0.25: R38.2@56.96,134.652 58.205,134.652 ; XBEE1.8@62.04,140.826 60.77,139.556 60.77,137.217 58.205,134.652 ; v1(76.329,133.221) 64.842,133.221 63.411,134.652 58.205,134.652 ; U5.1@82.391,73.702 83.565,72.528 87.284,72.528 87.688,72.932 v1(88.964,72.932)
"18F RD0": MDA1.1 MDB1.1 R24.1 U2.21 U5.38 | length 202
  Top Layer w0.25: MDA1.1@32.576,6.206 32.576,9.861 v1(34.072,11.357) 34.072,46.386 39.621,51.935 56.463,51.935 58.205,53.677 58.205,58.218 53.556,62.867 v1(53.556,68.614) 52.831,69.339 52.831,71.272 53.322,71.763 55.655,71.763 56.473,70.945 56.473,63.246 57.902,61.817 61.871,61.817 62.929,62.875 v1(62.929,65.617) ; MDB1.1@53.912,6.206 53.912,11.605 v2@57.337,15.029
  Bottom Layer w0.25: v1(34.072,11.357) 48.602,11.357 50.093,12.848 54.999,12.848 v2(56.966,14.815) ; v1(53.556,68.614) 53.175,68.995 53.175,71.484 53.866,72.175 U2.21@56.05,72.175 ; v1(62.929,65.617) 66.815,65.617 68.796,63.635 68.796,53.423 67.96,52.586 R24.1@67.96,52.18 69.762,53.982 69.762,66.928 70.284,67.45 72.534,67.45 73.29,66.694 78.194,66.694 78.774,67.274 81.501,67.274 81.94,66.835 84.716,66.835 U5.38@85.785,67.904
"18F RD1": MDA1.2 R25.1 R45.1 U5.39 | length 128.6
  Top Layer w0.25: MDA1.2@32.576,3.666 34.118,5.208 34.118,9.53 35.751,11.163 35.751,45.391 40.7,50.34 62.356,50.34 v2(63.285,51.269) 63.285,60.714 64.301,61.73 64.301,66.988 64.774,67.462 v1(64.774,67.566)
  Bottom Layer w0.25: R25.1@32.576,30.16 v1(35.752,30.161) v1(35.752,30.161) ; v2(63.285,51.269) 64.391,50.163 68.487,50.163 70.397,52.073 70.397,55.839 71.36,56.803 R45.1@71.36,57.26 ; v1(64.774,67.566) 66.376,67.566 66.768,67.958 74.832,67.958 75.459,67.331 77.869,67.331 78.33,67.792 82.162,67.792 82.426,67.528 84.278,67.528 U5.39@85.219,68.469
"18F RD2": MDA1.3 R27.1 R46.1 U5.40 | length 151.5
  Top Layer w0.25: v1(27.517,28.341) 30.036,25.822 MDA1.3@30.036,6.206 ; v1(81.628,24.309) 82.716,25.397 v1(82.716,62.797)
  Bottom Layer w0.25: R27.1@27.496,30.16 27.496,28.362 v1(27.517,28.341) 27.637,28.341 29.308,26.67 47.75,26.67 51.696,22.724 80.043,22.724 v1(81.628,24.309) ; R46.1@71.36,59.8 71.36,60.257 72.481,61.378 72.481,63.179 73.065,63.763 77.673,63.763 78.639,62.797 v1(82.716,62.797) 87.262,62.797 89.193,64.728 89.193,67.395 86.879,69.708 85.327,69.708 U5.40@84.654,69.035
"18F RD3": MDA1.4 R29.1 R47.1 U5.41 | length 132.4
  Top Layer w0.25: MDA1.4@30.036,3.666 31.331,4.961 v1(31.331,28.126) ; v1(75.248,31.86) 75.753,32.365 75.753,67.341 v1(76.747,68.334) ; v1(78.702,64.474) 79.557,65.328 79.557,68.191 v1(79.058,68.69)
  Bottom Layer w0.25: R29.1@30.036,30.16 30.493,30.16 32.636,32.303 68.708,32.303 69.767,31.244 74.632,31.244 v1(75.248,31.86) ; R29.1@30.418,30.16 31.331,29.247 v1(31.331,28.126) ; R47.1@71.36,62.34 71.36,62.805 73.029,64.474 v1(78.702,64.474) ; v1(76.747,68.334) 77.102,68.69 v1(79.058,68.69) 83.177,68.69 U5.41@84.088,69.601
"18F RD4": MDB1.2 R34.1 U5.2 | length 128.6
  Top Layer w0.25: v1(56.045,30.116) 57.045,29.116 57.045,17.371 58.669,15.747 v2(58.669,8.771) ; v1(63.767,30.184) 63.767,41.79 72.098,50.121 72.098,87.391 73.759,89.052 81.572,89.052 83.716,86.908 83.716,77.742 v1(81.599,75.625)
  Bottom Layer w0.25: MDB1.2@53.912,3.666 55.288,5.042 55.288,7.525 56.534,8.771 v2(58.669,8.771) ; R34.1@53.912,30.16 56.001,30.16 v1(56.045,30.116) 63.6,30.116 63.694,30.21 63.744,30.16 v1(63.767,30.184) ; v1(81.599,75.625) U5.2@82.957,74.268
"18F RD5": MDB1.3 R35.1 U5.3 | length 132.4
  Top Layer w0.25: MDB1.3@51.372,6.206 51.372,13.257 53.085,14.97 v1(53.085,26.919) ; v1(64.893,28.583) 64.893,41.12 72.815,49.042 72.815,86.778 74.355,88.318 80.991,88.318 83.057,86.252 83.057,78.849 v1(79.807,75.599)
  Bottom Layer w0.25: R35.1@50.998,30.16 R35.1@51.372,30.16 51.372,27.557 52.01,26.919 v1(53.085,26.919) ; R35.1@51.814,30.16 51.814,30.298 52.86,31.344 64.134,31.344 64.893,30.585 v1(64.893,28.583) ; v1(79.807,75.599) 80.709,76.5 82.106,76.5 82.462,76.145 U5.3@83.522,74.833
"18F RD6": MDB1.4 R36.1 U5.4 | length 121.6
  Top Layer w0.25: MDB1.4@51.372,3.666 52.718,5.012 52.718,12.6 54.584,14.466 v1(54.584,25.559) ; v1(85.052,31.682) 85.052,49.28 91.123,55.351 v1(91.123,69.452)
  Bottom Layer w0.25: R36.1@48.832,30.16 48.832,30.496 50.224,29.104 50.224,26.877 51.542,25.559 v1(54.584,25.559) 65.805,25.559 67.522,23.842 75.638,23.842 77.443,25.647 77.443,30.439 78.686,31.682 v1(85.052,31.682) ; U5.4@84.088,75.399 85.843,73.644 87.123,73.644 87.444,73.965 89.422,73.965 90.071,73.316 90.071,70.504 v1(91.123,69.452)
"18F RD7": MDD1.4 R52.2 U5.5 | length 127.8
  Top Layer w0.25: v1(81.907,13.542) 83.809,15.444 83.809,30.951 84.177,31.32 84.177,60.534 86.755,63.112 86.755,74.252 v1@86.348,74.659 ; v1(84.722,111.616) 87.764,108.574 87.764,76.177 v1(86.246,74.659)
  Bottom Layer w0.25: v1(81.907,13.542) 81.921,13.542 85.17,10.293 93.869,10.293 95.238,8.924 95.238,3.945 94.958,3.666 MDD1.4@94.044,3.666 ; R52.2@82.769,111.597 82.769,111.616 v1(84.722,111.616) ; U5.5@84.654,75.965 84.901,75.965 86.207,74.659 v1(86.246,74.659)